# Altium PCB DC_Motor.PcbDoc (part 1 of 2) (continued)
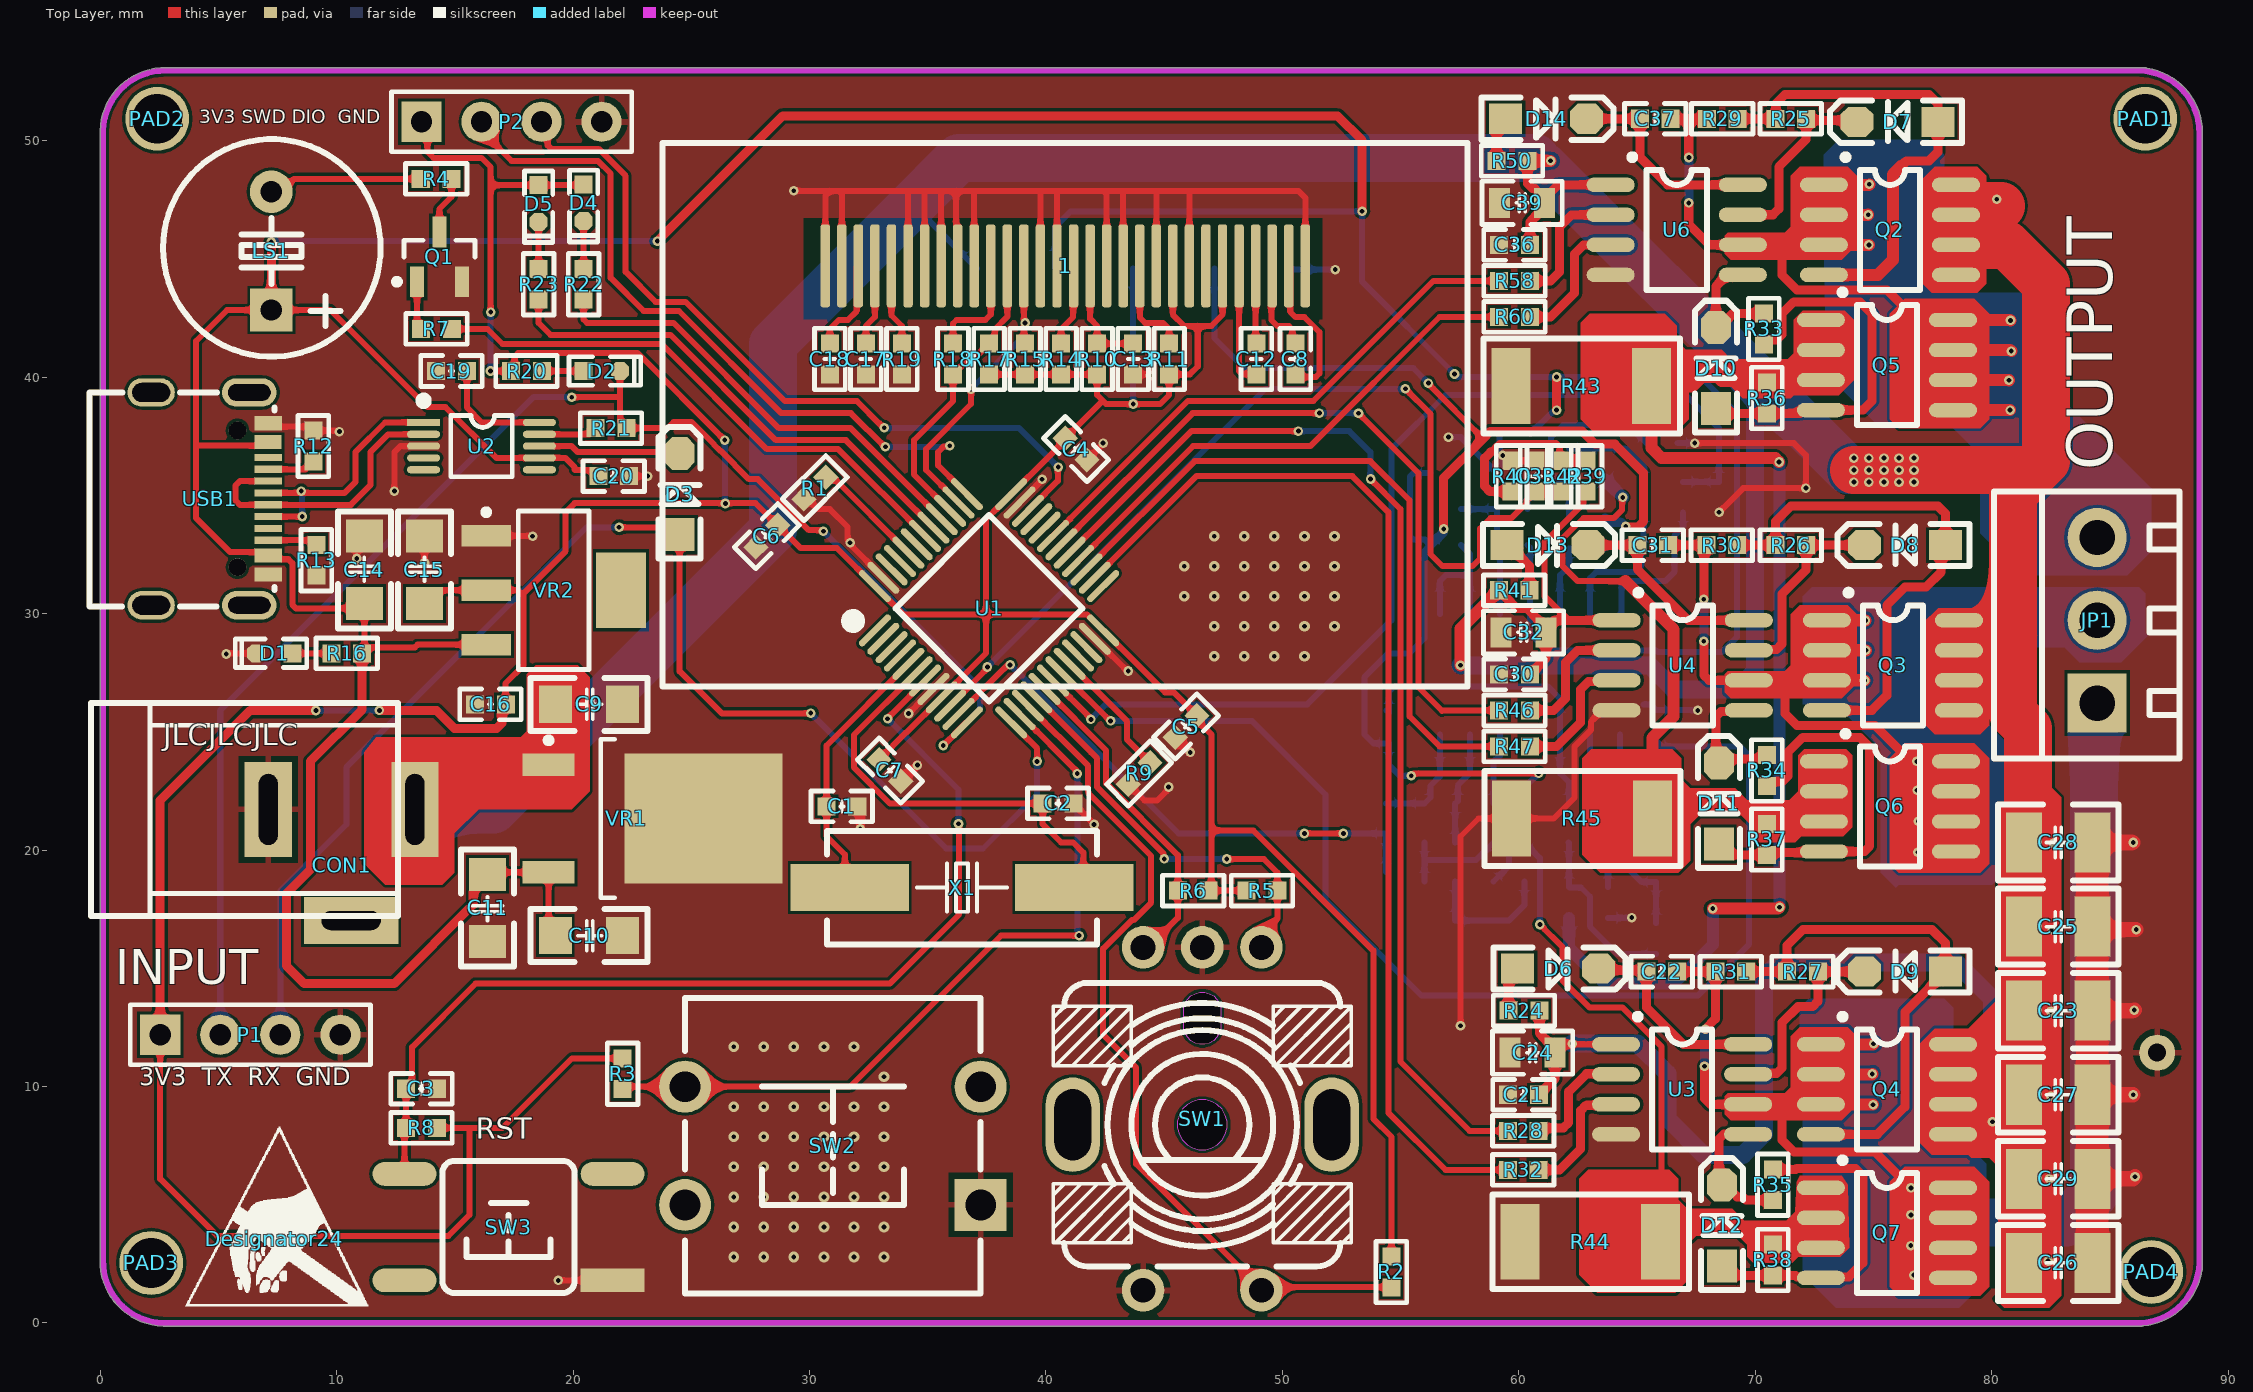
[diagram p0: Top Layer view]
## Footprints (in the part's own frame and the unit in brackets; to place one, negate y for a bottom-side part, rotate by r counter-clockwise, add the part's x,y. Pads: shape width x height; smd on the part's side, far side on the other; paste and mask are expansions set on the pad)
"BEEP 5x9x5.5" [mm] "5*9*5.5mm(脚距,直径,高度)        淘宝ID:黄晶宝石"
  rect 1.8x1.8 hole 0.9: 1(0,-2.5)
  round 1.8 hole 0.9: 2(0,2.5)
  silkscreen extent -4.58,-4.47 4.62,4.72, body extent -4.5,-4.5 4.5,4.5, height 5.45
C0603_L [mil] "无极性贴片电容"
  rect 30x30 smd: 1(-25.59,0) 2(25.59,0)
  silkscreen extent -51,-26 51,26, body extent -31,-16 32,16, height 33
C0805_L [mil] "无极性贴片电容"
  rect 35x50 smd: 1(-37.4,0) 2(37.4,0)
  silkscreen extent -67,-36 67,36, body extent -39,-24 39,24, height 22
C1206_L [mil] "无极性贴片电容"
  rect 55x62 smd: 1(-55.12,0) 2(57.09,0)
  silkscreen extent -96,-44 98,44, body extent -63,-32 63,32, height 50
C1210_L [mm] "无极性贴片电容"
  rect 1.524x2.54 smd: 1(-1.45,0) 2(1.45,0)
  silkscreen extent -2.55,-1.6 2.55,1.6, body extent -1.6,-1.28 1.6,1.29, height 1.56
Check [mm]
  silkscreen extent 0,-6.1 11.18,0
DC-005 [mm] "5.5*2.1mm，DC30V,2.5A                       淘宝ID:黄晶宝石"
  rect 2x4 hole 0.8 slot 3 at 90 deg: 1(-6.2,0) 2(0,0)
  rect 4x2 hole 0.8 slot 2.5 at 0 deg: 3(-3.5,4.7)
  silkscreen extent -5.48,-4.5 7.5,4.5, body extent -6.55,-4.5 7.5,4.8, height 11
HDR2.54-LI-4P [mm] "排针，4脚"
  rect 1.7x1.7 hole 0.9: 1(-3.81,0)
  round 1.7 hole 0.9: 2(-1.27,0) 3(1.27,0) 4(3.81,0)
  silkscreen extent -5.08,-1.27 5.08,1.27, body extent -5.08,-1.27 5.08,1.27, height 2.54
ICO1 [mm]
  silkscreen extent -3.76,-2.82 3.96,4.75
ICO3 [mm]
  silkscreen extent -3.58,-3.86 3.48,3.86
INO5 [mm]
  silkscreen extent -2.97,-5.16 3.04,0.05
KF350-3P [mm] "可拼接端子/10A"
  rect 2.5x2.5 hole 1.5: 1(-3.5,0)
  round 2.5 hole 1.5: 2(0,0) 3(3.5,0)
  silkscreen extent -5.84,-3.48 5.44,4.37, body extent -5.65,-3.3 5.25,4.2, height 10.1
LED0603_B [mil] "蓝色0603LED"
  rect 30x30 smd: 1(-30.59,0)
  oct 30x30 smd: 2(30.59,0)
  silkscreen extent -54,-24 65,24, body extent -32,-16 31,16, height 24
LED0603_G [mil] "绿色0603LED"
  rect 30x30 smd: 1(-30.59,0)
  oct 30x30 smd: 2(30.59,0)
  silkscreen extent -54,-24 65,24, body extent -32,-16 31,16, height 24
LED0603_R [mil] "红色0603LED"
  rect 30x30 smd: 1(-30.59,0)
  oct 30x30 smd: 2(30.59,0)
  silkscreen extent -54,-24 65,24, body extent -32,-16 31,16, height 24
LQFP48-7*7 [mm] "7x7mm，0.5mm"
  oval 0.279x1.8 smd: 1(-2.75,-4.075) 2(-2.25,-4.075) 3(-1.75,-4.075) 4(-1.25,-4.075) 5(-0.75,-4.075) 6(-0.25,-4.075) 7(0.25,-4.075) 8(0.75,-4.075) 9(1.25,-4.075) 10(1.75,-4.075) 11(2.25,-4.075) 12(2.75,-4.075) 25(2.75,4.075) 26(2.25,4.075) 27(1.75,4.075) 28(1.25,4.075) 29(0.75,4.075) 30(0.25,4.075) 31(-0.25,4.075) 32(-0.75,4.075) 33(-1.25,4.075) 34(-1.75,4.075) 35(-2.25,4.075) 36(-2.75,4.075)
  oval 1.8x0.279 smd: 13(4.075,-2.75) 14(4.075,-2.25) 15(4.075,-1.75) 16(4.075,-1.25) 17(4.075,-0.75) 18(4.075,-0.25) 19(4.075,0.25) 20(4.075,0.75) 21(4.075,1.25) 22(4.075,1.75) 23(4.075,2.25) 24(4.075,2.75) 37(-4.075,2.75) 38(-4.075,2.25) 39(-4.075,1.75) 40(-4.075,1.25) 41(-4.075,0.75) 42(-4.075,0.25) 43(-4.075,-0.25) 44(-4.075,-0.75) 45(-4.075,-1.25) 46(-4.075,-1.75) 47(-4.075,-2.25) 48(-4.075,-2.75)
  silkscreen extent -3.93,-4.69 2.79,2.79, body extent -4.5,-4.5 4.5,4.5, height 1.45
M2 [mm]
  round 2.7 hole 2.1: 1(0.127,0.762)
MSOP10_M [mm] "塑封体长3mm，宽3mm，脚距0.5mm      淘宝ID:黄晶宝石"
  rect 0.305x1.4 smd: 1(-1,-2.45)
  oval 0.305x1.4 smd: 2(-0.5,-2.45) 3(0,-2.45) 4(0.5,-2.45) 5(1,-2.45) 6(1,2.45) 7(0.5,2.45) 8(0,2.45) 9(-0.5,2.45) 10(-1,2.45)
  silkscreen extent -2.07,-2.6 1.3,1.3, body extent -1.5,-2.45 1.5,2.45, height 0.95
OLED-12864-1.3-TOP [mm]
  rrect50% 0.4x3.5 smd: 1(-10.16,-6.858) 2(-9.46,-6.858) 3(-8.76,-6.858) 4(-8.06,-6.858) 5(-7.36,-6.858) 6(-6.66,-6.858) 7(-5.96,-6.858) 8(-5.26,-6.858) 9(-4.56,-6.858) 10(-3.86,-6.858) 11(-3.16,-6.858) 12(-2.46,-6.858) 13(-1.76,-6.858) 14(-1.06,-6.858) 15(-0.36,-6.858) 16(0.34,-6.858) 17(1.04,-6.858) 18(1.74,-6.858) 19(2.44,-6.858) 20(3.14,-6.858) 21(3.84,-6.858) 22(4.54,-6.858) 23(5.24,-6.858) 24(5.94,-6.858) 25(6.64,-6.858) 26(7.34,-6.858) 27(8.04,-6.858) 28(8.74,-6.858) 29(9.44,-6.858) 30(10.14,-6.858)
  silkscreen extent -17.02,-12.07 17.02,10.92, body extent -17,-14.29 17,11.07, height 4.6
"OSC HC-49SMD" [mm] "封装库来自淘宝卖家 ID：黄晶宝石"
  rect 5x2 smd: 1(-4.75,0) 2(4.75,0)
  silkscreen extent -5.7,-2.4 5.7,2.4, body extent -6.5,-2.33 6.5,2.33
R0603_L [mil] "1/10W贴片电阻"
  rect 30x30 smd: 1(-25.59,0) 2(25.59,0)
  silkscreen extent -51,-26 51,26, body extent -31,-16 32,16, height 16
R2512_L [mm] "1W贴片电阻                淘宝ID:黄晶宝石"
  rect 1.65x3.2 smd: 1(-2.95,0) 2(3,0)
  silkscreen extent -4.1,-2 4.2,2, body extent -3.2,-1.6 3.2,1.6, height 0.55
SOD-123 [mil] "2.7x1.6X1.1mm（长宽高，不包括引脚） 淘宝ID:黄晶宝石"
  rect 55x50 smd: 1(-67.5,0)
  oct 55x50 smd: 2(67.5,0)
  silkscreen extent -108,-35 112,35, body extent -73,-32 73,31, height 50
SOIC-14 [mm]
  oval 2.2x0.6 smd: 1(-2.552,3.81) 2(-2.552,2.54) 3(-2.552,1.27) 4(-2.552,0) 5(-2.552,-1.27) 6(-2.552,-2.54) 7(-2.552,-3.81) 8(2.552,-3.81) 9(2.552,-2.54) 10(2.552,-1.27) 11(2.552,0) 12(2.552,1.27) 13(2.552,2.54) 14(2.552,3.81)
  silkscreen extent -2.55,-4.3 0.93,4.78, body extent -3,-4.35 3,4.35, height 1.9
SOP8 [mil]
  oval 80x24 smd: 1(-1,-1) 2(-1,-51) 3(-1,-101) 4(-1,-151) 5(219,-151) 6(219,-101) 7(219,-51) 8(219,-1)
  silkscreen extent 30,-176 159,50, body extent -12,-173 225,24, height 75
SOT23-3N [mm] "SOT23, 3-Leads, Body 2.9x1.3mm, Pitch 0.95mm, Lead Span 2.4mm, IPC Medium Density"
  rect 1.3x0.6 smd: 1(-1.05,0.95) 2(-1.05,-0.95) 3(1.05,0)
  silkscreen extent -1.17,-1.5 0.7,1.92, body extent -1.2,-1.5 1.2,1.5, height 1.05
SOT223_L [mm] "SOT223, 4-Leads, Body 6.5x3.5mm, Pitch 2.3mm, Lead Span 7mm, IPC High Density"
  rect 2.1x0.9 smd: 1(-2.85,2.3) 2(-2.85,0) 3(-2.85,-2.3)
  rect 2.1x3.2 smd: 4(2.85,0)
  silkscreen extent -2.97,-3.35 1.5,3.42, body extent -3.51,-3.25 3.51,3.25, height 1.65
"SW DIP-12*12*4.3" [mm] "12*12*4.3mm                                 淘宝ID:黄晶宝石"
  rect 2.2x2.2 hole 1.3: 1(-6.25,2.5)
  round 2.2 hole 1.3: 2(-6.25,-2.5) 3(6.25,-2.5) 4(6.25,2.5)
  silkscreen extent -6.25,-6.25 6.25,6.25, body extent -6.9,-6 6.9,6, height 4.45
"SW SMD-6*6*5" [mm] "6*6*5mm                                 淘宝ID:黄晶宝石"
  rect 2.7x1 smd: 1(-4.4,2.261)
  oval 2.7x1 smd: 2(-4.4,-2.239) 3(4.4,-2.239) 4(4.4,2.261)
  silkscreen extent -2.79,-2.79 2.79,2.79, body extent -4.5,-3 4.5,3, height 5.03
SW-TH_EC11K1524406 [mm]
  round 1.8 hole 1.05 mask+0.051: A(-2.5,-7.25) B(2.5,-7.25) C(0,-7.25) D(-2.5,7.25) E(2.5,7.25)
  oval 2.3x4 hole 1.55 slot 3 at 90 deg copper offset 0,0 mask+0.051: MH1(-5.475,0.25)
  oval 2.3x4 hole 1.55 slot 3 at 90 deg mask+0.051: MH2(5.475,0.25)
  Keep-Out Layer board cut-out: 0.775,-4.575 0.775,-4.677 0.722,-4.874 0.62,-5.051 0.476,-5.195 0.299,-5.297 0.102,-5.35 -0.102,-5.35 -0.299,-5.297 -0.476,-5.195 -0.62,-5.051 -0.722,-4.874 -0.775,-4.677 -0.775,-4.575 -0.775,-4.575 -0.775,-3.925 -0.775,-3.823 -0.722,-3.626 -0.62,-3.449 -0.476,-3.305 -0.299,-3.203 -0.102,-3.15 0.102,-3.15 0.299,-3.203 0.476,-3.305 0.62,-3.449 0.722,-3.626 0.775,-3.823 0.775,-3.925 0.775,-3.925 0.775,-4.575
  Keep-Out Layer board cut-out: 1.05,0.25 1.05,0.388 0.978,0.655 0.84,0.895 0.645,1.09 0.405,1.228 0.138,1.3 -0.138,1.3 -0.405,1.228 -0.645,1.09 -0.84,0.895 -0.978,0.655 -1.05,0.388 -1.05,0.25 -1.05,0.112 -0.978,-0.155 -0.84,-0.395 -0.645,-0.59 -0.405,-0.729 -0.138,-0.8 0.138,-0.8 0.405,-0.729 0.645,-0.59 0.84,-0.395 0.978,-0.155 1.05,0.112 1.05,0.25 1.05,0.25
  silkscreen extent -6.3,-5.75 6.3,6.25
"TEST 1.6" [mm] "测试点1.6mm"
  round 1.6 smd paste-1.6: 1(0,0)
  silkscreen extent -1.02,-1.01 1.02,1.02
TO-252 [mm]
  rect 2.2x0.95 smd: 1(-4.4,2.28) 3(-4.4,-2.28)
  rect 6.7x5.5 smd: 2(2.15,0)
  silkscreen extent -4.52,-3.35 -1.6,3.43, body extent -5.08,-3.37 5.02,3.37, height 2.5
USB-C-SMD_16P [mm] "封装库来自淘宝ID:黄晶宝石"
  oval 1.2x2.3 hole 0.7 slot 1.8 at 90 deg: 0(-4.5,-1.675) 0(4.5,-1.675)
  oval 1.2x2 hole 0.8 slot 1.6 at 90 deg: 0(-4.5,2.475) 0(4.5,2.475)
  rect 0.3x1.15 smd: A1(3.35,-2.473) A4(2.55,-2.471) A5(1.25,-2.475) A6(0.25,-2.475) A7(-0.25,-2.473) A9(-2.55,-2.475) A12(-3.35,-2.475) B1(-3.05,-2.475) B4(-2.25,-2.475) B5(-1.75,-2.475) B6(-0.75,-2.475) B7(0.75,-2.473) B9(2.25,-2.471) B12(3.05,-2.473)
  rect 0.3x1.148 smd: A8(1.75,-2.475) B8(-1.25,-2.475)
  round 0.75 hole 0.75 unplated: ""(-2.89,-1.175) ""(2.89,-1.175)
  silkscreen extent -4.56,-2.75 4.5,5.08, body extent -4.44,-2.87 4.5,5.03, height 3.25

## Part data
1: "显示屏"
C1 C2 C3 C4 C5 C6 C7: library part C, "贴片电容", BOM名称=无极性贴片电容, 联系卖家，免费查找封装=唯一出售店铺网址https://shop463601444.taobao.com
C8 C12 C13 C17 C18: library part 电容-0402, "Capacitor"
C9 C10 C16 C22 C31 C37: library part Cap, "C89632", LC=C1591, parm=100V
C11 C14 C15 C21 C23 C24 C25 C26 C27 C28 C29 C30 C32 C33 C34 C35 C36 C38 C39 C40 C41 C42 C43 C44 C45: library part Cap
  C14 C15 C23 C25 C26 C27 C28 C29: LC=C1591
  C21 C24 C30 C32 C33 C34 C35 C36 C38 C39 C40 C41 C42 C43 C44 C45: LC=C1591, parm=50V
C19 C20: library part C, "无极性贴片电容", BOM名称=无极性贴片电容, 学习资源=www.ooocke.com, 版权归属=源创客
CON1: library part P-DC, "低压电源接口", BOM名称=DC电源接口, 联系卖家，免费技术支持=唯一出售店铺网址https://shop463601444.taobao.com
D1 D2 D4 D5: "发光二极管"
  D1 D2: LatestRevisionDate=08-Jul-2005, LatestRevisionNote="Mech Layer 1 removed.", PackageReference=LED-0, Published=8-Jun-2000, Publisher="Altium Limited"
  D4 D5: 封装库来自淘宝卖家 ID：黄晶宝石=其他店铺购入均为假冒，请立即申请退款，本店奖励现金5~20元
D3: library part M7, "整流二极管", BOM名称=整流二极管, 学习资源=www.ooocke.com, 版权归属=源创客
D6 D7 D8 D9 D10 D11 D12 D13 D14: library part "SOD-323 1N4148WS T4", "二极管", Package=SOD-323, SuppliersPartNumber=C2128, ComponentLink1Description=供应商链接, ComponentLink1URL=http://www.szlcsc.com/product/details_2485.html, Supplier=LC
JP1: library part "Header 3", "3P接插件", BOM名称=3P接插件, 学习资源=www.ooocke.com, 版权归属=源创客
LS1: "Electrical Bell", LatestRevisionDate=17-Jul-2002, LatestRevisionNote="Re-released for DXP Platform.", PackageReference=PIN2, Published=24-Mar-1999, Publisher="Altium Limited"
P1 P2: library part "Header 4", "Header, 4-Pin", LatestRevisionDate=17-Jul-2002, LatestRevisionNote="Re-released for DXP Platform.", Publisher="Altium Limited"
PAD1 PAD2 PAD3 PAD4: library part M3, "铜柱孔", BOM名称=铜柱孔, 联系卖家，免费查找封装=唯一出售店铺网址https://shop463601444.taobao.com
Q1: library part 8050-SMD, "高频放大-NPN型", BOM名称=高频放大-NPN型, 参数="40V 1.5A 1W 100MHZ", 封装库来自淘宝卖家 ID：黄晶宝石=其他店铺购入均为盗版，不享受售后技术支持服务，请立即申请退款, 联系卖家，免费查找封装=唯一出售店铺网址https://shop463601444.taobao.com
Q2 Q3 Q4 Q5 Q6 Q7: library part NMOS-2, "C190848", Code_JEDEC=TO-220-AB, ComponentLink1Description="Manufacturer Link", ComponentLink1URL=http://www.irf.com/, DatasheetDocument=PD-9.814, LatestRevisionDate=17-Jul-2002, LatestRevisionNote="Re-released for DXP Platform.", Note="Pin 2 is electrically connected to pin 4.", PackageReference=TO-220AB, Published=8-Jun-2000, Publisher=60V
R1 R2 R3 R5 R6 R8 R9 R22 R23: library part R, "贴片电阻", BOM名称=贴片电阻, 封装库来自淘宝卖家ID：黄晶宝石=其他店铺购入均为盗版假冒封装库，请立即申请退款, 联系卖家，免费查找封装=唯一出售店铺网址https://shop463601444.taobao.com
R4 R7 R10 R11 R12 R13 R14 R15 R16 R17 R18 R19 R20 R21: library part 电阻-0402, "Resistor"
R24 R25 R26 R27 R28 R29 R30 R31 R32 R33 R34 R35 R36 R37 R38 R39 R40 R41 R42 R46 R47 R48 R49 R50 R51 R52 R53 R54 R55 R56 R57 R58 R59 R60 R61 R62 R63 R64 R65 R66 R67 R68 R69 R70 R71 R72 R73 R74 R75: library part Res1, "Resistor"
R43 R44 R45: library part R-I, "电流检测电阻", BOM名称=电流检测电阻, 学习资源=www.ooocke.com, 版权归属=源创客
SW1: JLCPCB Part Class="Extended Part", LCSC Part Name=编码器, Manufacturer=ALPSALPINE(阿尔卑斯阿尔派), Add into BOM=yes, Convert to PCB=yes, Datasheet=https://atta.szlcsc.com/upload/public/pdf/source/20190620/C398934_DDD5BF6D843226194F24C74B1929B82F.pdf, Device=EC11K1524406, Manufacturer Part=EC11K1524406, Name=EC11K1524406, Supplier=LCSC, Supplier Footprint=插件, Supplier Part=C398934, Symbol=EC11K1524406
SW2: library part "TSW DIP-12x12", "直插12x12轻触开关", BOM名称=直插12x12轻触开关, 联系卖家，免费查找封装=唯一出售店铺网址https://shop463601444.taobao.com
SW3: library part "TSW SMD-6x6", "贴片6x6轻触开关", BOM名称=贴片6x6轻触开关, 学习资源=www.ooocke.com, 版权归属=源创客
TP1 TP2 TP3 TP4 TP5: "测试点", BOM名称=测试点, 联系卖家，免费查找封装=唯一出售店铺网址https://shop463601444.taobao.com
U2: BOM_JLCPCB Part Class="Extended Part", BOM_Manufacturer=WCH, BOM_Manufacturer Part=CH340E, BOM_Supplier=LCSC, BOM_Supplier Part=C99652, spicePre=U, spiceSymbolName=CH340E, subpart_no=1
U3 U4 U6: library part NCP5106BDR2G, "C193777", 编号=C193777
U5: library part LM324DT_[C71035], "运放", Package=SOIC-14_150mil, SuppliersPartNumber=C71035, ComponentLink1Description=供应商链接, ComponentLink1URL=http://www.szlcsc.com/product/details_72134.html, Supplier=LC
USB1: library part USB-Type-C-TOP
VR1: library part "TO-252-2 L78M05ABDT-TR", "低压差线性稳压(LDO)", Package=TO-252-2, SuppliersPartNumber=C58069, ComponentLink1Description=供应商链接, ComponentLink1URL=http://www.szlcsc.com/product/details_59107.html, Supplier=LC
VR2: library part "SOT-223 AMS1117-3.3", "低压差线性稳压(LDO)", Package=SOT-223, SuppliersPartNumber=C6186, ComponentLink1Description=供应商链接, ComponentLink1URL=http://www.szlcsc.com/product/details_6652.html, Supplier=LC
X1: library part XTAL-2P, "2脚无源脚晶振", BOM名称=2脚无源脚晶振, 联系卖家，免费查找封装=唯一出售店铺网址https://shop463601444.taobao.com

## Free pads (board coordinates)
  round 1.524 hole 0.762: 2(86.995,11.43)

## Via types
v1: diameter 0.406, hole 0.203, Top Layer to Bottom Layer, 141 vias
v2: diameter 0.457, hole 0.203, Top Layer to Bottom Layer, 68 vias

## Nets (pads, with @x,y where several pads share a name; then routed paths per layer and width w, separated by ;. In a path a pad name is that pad's centre, name@x,y a point inside that pad or via, vN(x,y) a via of type N, cw(c..) or ccw(c..) an arc to the next point about the centre after c; other vN are vias at no path point)
+1.65V: C35.2 R48.1 R61.1 R74.1 R75.1 TP5.1 | length 57.5
  Top Layer w0.254: v1(55.448,23.141) 55.549,23.241 v1(60.833,23.241) ; v1(56.171,39.75) 56.171,39.714 58.483,37.401
  Top Layer w0.381: v1(56.819,33.578) 56.819,35.737 58.483,37.401 58.788,37.706 60.618,37.706 60.63,37.719 62.67,37.719 63.227,37.162 64.057,37.162 65.278,35.941 65.278,33.909 65.024,33.655 64.55,33.655 v1(64.515,33.69)
  Bottom Layer w0.254: TP5.1@47.117,44.59 47.117,41.656 48.387,40.386 55.535,40.386 v1(56.171,39.75) ; v1(55.448,23.141) 54.964,23.141 54.498,23.607 R61.1@54.498,24.511 53.848,24.511 53.467,24.892 53.467,27.305 54.483,28.321 55.372,28.321 56.007,28.956 56.007,32.639 R48.1@56.261,32.893 56.029,33.125 55.536,33.125 55.387,33.274 55.387,35.792 55.536,35.941 C35.2@56.261,35.941 ; R74.1@60.228,21.971 60.228,22.636 v1(60.833,23.241)
  Bottom Layer w0.381: R48.1@56.261,32.893 56.819,33.451 v1(56.819,33.578) ; R75.1@63.642,34.051 63.833,33.861 64.337,33.861 64.508,33.69 v1(64.515,33.69)
+3.3V: 1.6 1.9 C4.1 C5.1 C6.1 C7.1 C15.2 C16.2 D4.1 D5.1 P1.1 P2.1 R2.2 R3.2 R5.2 R6.2 R8.2 R10.2 R11.1 R14.2 R15.1 R17.1 R20.1 TP3.1 U1.9 U1.24 U1.36 U1.48 VR2.2 | length 212.2
  Top Layer w0.254: P1.1@2.54,12.192 2.54,6.096 4.953,3.683 14.732,3.683 15.621,4.572 15.621,8.247 15.628,8.255 ; P2.1@13.589,50.8 13.843,50.546 13.843,49.53 14.097,49.276 16.129,49.276 16.51,48.895 16.51,48.118 ; C15.2@13.716,30.427 14.277,30.988 VR2.2@16.327,30.988 17.653,30.988 17.78,30.861 ; R8.2@14.239,8.255 15.628,8.255 ; v1(16.51,40.259) R20.1@17.384,40.259 17.526,40.401 17.526,40.872 17.675,41.021 22.733,41.021 v1(26.416,37.338) ; v1(16.517,42.752) 16.51,42.759 16.51,48.118 ; C16.2@17.16,26.162 17.145,26.177 17.145,27.051 17.907,27.813 17.907,30.734 17.78,30.861 ; D4.1@20.447,48.148 20.417,48.118 D5.1@18.542,48.118 16.51,48.118 ; R3.2@22.098,11.191 19.954,11.191 17.018,8.255 15.628,8.255 ; v1@26.416,34.671 20.066,34.671 19.685,34.29 19.685,32.639 17.907,30.861 17.78,30.861 ; v1@26.443,34.671 27.716,34.671 C6.1@28.654,33.734 29.621,32.766 31.163,32.766 U1.48@32.766,31.163 33.957,29.972 37.465,29.972 ; C7.1@32.941,23.828 34.076,24.963 34.096,24.963 U1.9@35.594,26.46 37.465,28.331 37.465,29.972 ; R17.1@37.592,40.117 R15.1@39.116,40.117 R14.2@40.64,40.117 R10.2@42.164,40.117 42.164,39.243 42.354,39.053 ; C4.1@40.815,37.417 42.354,38.956 42.354,39.053 ; C4.1@40.942,37.29 40.767,37.29 U1.36@38.529,35.052 37.465,33.988 37.465,29.972 ; 1.9@45.366,44.704 45.366,42.645 45.847,42.164 46.419,42.164 ; 1.6@47.466,44.704 47.466,42.64 46.99,42.164 46.419,42.164 ; R5.2@48.484,18.288 R6.2@46.878,18.288 46.99,18.4 46.99,20.828 ; R2.2@54.61,2.809 54.61,7.874 53.848,8.636 53.848,15.748 48.768,20.828 46.99,20.828 ; 37.465,29.972 41.728,29.972 42.411,29.289 U1.24@42.418,29.289 45.037,26.67 45.399,26.67 C5.1@46.385,25.684 46.385,25.497 46.99,24.892 46.99,20.828 ; 42.354,39.053 42.545,38.862 v1(43.688,38.862) 44.831,38.862 45.212,39.243 R11.1@45.212,40.117 46.086,40.117 46.419,40.45 46.419,42.164
  Top Layer w0.381: P1.1@2.54,12.192 2.54,22.098 6.35,25.908 9.119,25.908 v1(9.127,25.9) ; v1(11.811,25.908) 14.224,25.908 14.986,25.146 16.764,25.146 16.987,25.369 16.987,25.989 C16.2@17.16,26.162
  Bottom Layer w0.254: v1(9.127,25.9) 11.803,25.9 v1(11.811,25.908) ; v1(16.51,40.259) 16.51,42.745 v1(16.517,42.752) ; v1(26.416,37.338) 26.416,34.681 v1(26.443,34.655) ; v1(43.688,38.862) TP3.1@43.688,44.59
+5V: C10.2 C11.2 C14.2 C20.1 C34.2 LS1.1 R16.1 R49.1 TP2.1 U2.7 U5.4 USB1.A4 USB1.A9 USB1.B4 USB1.B9 VR1.3 VR2.3 | length 196.2
  Top Layer w0.254: USB1.A4@7.105,37.403 USB1.B9@7.105,37.103 4.083,37.103 4.064,37.084 ; R16.1@11.079,28.321 R16.1@11.176,28.418 ; VR2.3@16.327,28.688 13.425,28.688 13.312,28.575 11.333,28.575 R16.1@11.176,28.418 ; C11.2@16.383,18.976 16.463,19.056 VR1.3@18.968,19.056 18.968,16.666 C10.2@19.251,16.383 ; C20.1@21.067,35.814 20.813,36.068 20.088,36.068 20.066,36.09 20.066,36.195 19.677,36.584 U2.7@18.579,36.584 16.756,36.584 14.605,38.735 13.843,38.735 9.739,42.839 LS1.1@7.239,42.839 5.374,42.839 4.064,41.529 4.064,37.084 ; 4.064,37.084 4.064,34.036 5.497,32.603 USB1.B4@7.109,32.603 USB1.A9@7.109,32.303 7.956,32.303 8.128,32.131 8.128,30.375 8.277,30.226 10.975,30.226 C14.2@11.176,30.427 R16.1@11.176,28.418
  Top Layer w0.381: LS1.1@7.239,42.839 v1(7.239,45.72) ; R16.1@11.079,28.321 11.079,25.938 8.89,23.749 8.89,19.177 7.874,18.161 7.874,15.113 8.636,14.351 12.431,14.351 15.786,17.706 15.786,18.468 16.294,18.976 C11.2@16.383,18.976 ; v1(23.569,45.754) 28.87,51.054 52.324,51.054 53.369,50.009 v1(53.369,47.013) ; v1(61.595,38.608) v1(61.595,40.005)
  Bottom Layer w0.254: v1(7.239,45.72) 7.273,45.754 v1(23.569,45.754) ; TP2.1@40.386,44.59 40.386,46.355 41.044,47.013 v1(53.369,47.013) 53.369,44.04 v1(57.277,40.132) 57.404,40.005 v1(61.595,40.005) 67.691,40.005 69.215,38.481 69.215,29.007 68.58,28.372 65.871,28.372 65.795,28.448 61.203,28.448 60.467,29.184 U5.4@60.467,29.984 60.467,32.796 R49.1@60.37,32.893 ; C34.2@60.482,37.592 61.498,38.608 v1(61.595,38.608)
+12V: C9.2 C21.1 C23.1 C24.1 C25.1 C26.1 C27.1 C28.1 C29.1 C30.1 C32.1 C36.1 C39.1 CON1.1 Q2.5 Q2.6 Q2.7 Q2.8 Q3.5 Q3.6 Q3.7 Q3.8 Q4.5 Q4.6 Q4.7 Q4.8 R24.1 R39.2 R41.1 R50.1 TP1.1 U3.1 U4.1 U6.1 VR1.1 | length 234.2
  Top Layer w0.254: 62.103,29.718 61.087,30.734 61.087,33.02 62.738,34.671 62.738,35.037 R39.2@62.865,35.164 ; v1(62.262,11.815) 62.291,11.786 U3.1@64.11,11.786
  Top Layer w0.381: R41.1@59.152,30.988 59.914,30.226 60.323,30.226 C32.1@61.148,29.401 ; R50.1@60.355,49.149 60.355,48.197 60.578,47.973 60.675,47.973 C39.1@61.087,47.561 ; C30.1@60.467,27.432 61.148,28.113 C32.1@61.148,29.21 C32.1@61.148,29.401 ; C36.1@60.49,45.57 C36.1@60.467,45.593 60.467,46.561 61.087,47.18 C39.1@61.087,47.371 C39.1@61.087,47.561 ; C21.1@60.848,9.652 61.529,10.333 C24.1@61.529,11.43 C24.1@61.529,11.532 ; R24.1@60.863,13.208 60.863,12.255 61.244,11.875 61.275,11.875 61.529,11.621 C24.1@61.529,11.532 ; v1@62.291,11.786 61.783,11.786 C24.1@61.529,11.532 ; U6.1@63.881,48.133 61.658,48.133 C39.1@61.087,47.561 ; U4.1@64.135,29.718 62.103,29.718 61.466,29.718 C32.1@61.148,29.401 ; 78.994,9.779 80.034,9.779 80.038,9.775 ; 79.248,8.509 v1(80.027,8.508) ; v1@80.182,47.498 v1(80.208,47.524) ; C26.1@81.354,2.54 81.434,2.62 v1(82.381,2.62) ; C29.1@81.354,6.096 v1(82.423,6.096) ; C27.1@81.354,9.652 82.427,9.652 v1(82.49,9.589) ; C23.1@81.354,13.208 82.457,13.208 v1(82.49,13.175) ; C25.1@81.354,16.764 82.423,16.764 v1(82.55,16.637) ; C28.1@81.354,20.32 82.564,20.32 v1(82.599,20.284)
  Top Layer w0.508: v1(57.531,27.813) 57.531,29.367 R41.1@59.152,30.988 ; R50.1@60.355,49.149 v1(61.341,49.149)
  Top Layer w2.032: v1(74.168,36.068) 81.915,36.068 ; 78.105,26.543 80.9,26.543 ; Q2.6@78.486,45.593 80.645,45.593 82.296,43.942 82.296,36.449 81.915,36.068 ; Q2.7@78.486,46.863 78.867,47.244 80.391,47.244 ; 78.613,29.083 80.9,29.083 ; C28.1@81.354,20.32 81.534,20.5 81.534,25.147 80.9,25.78 80.9,26.543 ; 80.9,26.543 80.9,29.083 ; 80.9,29.083 80.9,35.053 81.915,36.068
  Bottom Layer w0.254: 34.036,46.99 34.684,46.99 TP1.1@37.084,44.59
  Bottom Layer w0.762: v1(57.531,27.813) 65.532,27.813 66.548,26.797 69.215,26.797 69.977,27.559 69.977,38.227 70.866,39.116 ; v1(62.262,11.815) 65.02,11.815 66.294,10.541 66.294,8.636 67.818,7.112 69.469,7.112 70.358,8.001 70.358,14.605 70.993,15.24 78.486,15.24 78.74,14.986 80.01,13.716 80.01,8.763 80.027,8.746 v1(80.027,8.508)
  Bottom Layer w2.032: CON1.1@13.312,21.717 16.637,21.717 28.448,33.528 28.448,41.402 34.036,46.99 36.322,49.276 60.706,49.276 ; 61.087,48.895 70.866,39.116 73.914,36.068 77.216,36.068
  other v1: 74.168,35.56 74.803,35.56 75.438,35.56 76.073,35.56 76.708,35.56 74.803,36.068 75.438,36.068 76.073,36.068 76.708,36.068 74.168,36.576 74.803,36.576 75.438,36.576 76.073,36.576 76.708,36.576
BEP1: R7.1 U1.42 | length 23.6
  Top Layer w0.254: R7.1@14.874,42.037 16.383,42.037 17.018,41.402 23.749,41.402 28.194,36.957 31.215,36.957 U1.42@34.887,33.285
BS1: 1.11 R11.2 | length 4.2
  Top Layer w0.254: 1.11@43.966,44.704 43.966,42.521 44.196,42.291 44.958,42.291 45.212,42.037 R11.2@45.212,41.417
D+: U2.1 USB1.A6 USB1.B6 | length 11.1
  Top Layer w0.254: USB1.B6@7.109,34.103 8.542,34.103 v1(8.545,34.107) ; USB1.A6@7.109,35.103 10.338,35.103 10.795,35.56 10.795,36.83 12.049,38.084 U2.1@13.679,38.084
  Bottom Layer w0.254: v1(8.509,35.179) 8.545,35.143 v1(8.545,34.107)
D-: U2.2 USB1.A7 USB1.B7 | length 12.2
  Top Layer w0.254: USB1.A7@7.107,34.603 5.91,34.603 5.715,34.798 5.715,35.411 5.907,35.603 USB1.B7@7.107,35.603 ; USB1.A7@7.107,34.603 10.6,34.603 11.43,35.433 11.43,36.83 12.184,37.584 U2.2@13.679,37.584
DEBUG_RX: D3.1 P1.3 U1.13 | length 59.3
  Top Layer w0.254: v1(21.949,33.65) 24.199,33.65 D3.1@24.511,33.337 24.511,27.559 26.289,25.781 30.038,25.781 v1(30.049,25.792) ; U1.13@38.529,25.4 39.624,24.305 v1(39.624,23.749)
  Bottom Layer w0.254: P1.3@7.62,12.192 7.62,18.288 10.414,21.082 10.414,23.495 20.569,33.65 v1(21.949,33.65) ; v1(30.049,25.792) 35.775,20.066 37.338,20.066 39.624,22.352 v1(39.624,23.749)
DEBUG_TX: D2.2 P1.2 R21.1 U1.12 | length 62.9
  Top Layer w0.254: v1(19.941,39.151) 21.95,39.151 21.986,39.187 ; D2.2@21.986,40.259 21.986,39.187 ; v1(30.588,33.482) 30.542,33.528 29.972,33.528 27.813,35.687 27.432,35.687 26.238,36.881 26.227,36.881 25.959,37.149 25.959,37.16 25.019,38.1 24.257,38.1 24.003,37.846 R21.1@22.255,37.846 21.986,38.115 21.986,39.187 ; v1(35.656,24.423) 36.633,25.4 U1.12@36.655,25.4
  Bottom Layer w0.254: P1.2@5.08,12.192 5.08,25.908 18.323,39.151 v1(19.941,39.151) ; v1(30.588,33.482) 37.211,26.859 37.211,25.978 v1(35.656,24.423)
Encode1: R5.1 SW1.A U1.16 | length 17.4
  Top Layer w0.254: U1.16@39.59,26.46 41.91,24.14 41.91,24.13 42.164,23.876 42.164,22.663 44.975,19.852 44.975,19.656 v1(45.004,19.627) ; v1(47.644,19.62) 49.214,19.62 49.784,19.05 R5.1@49.784,18.288 49.784,17.106 49.109,16.431 SW1.A@49.109,16.013
  Bottom Layer w0.254: v1(45.004,19.627) 47.637,19.627 v1(47.644,19.62)
Encode2: R6.1 SW1.B U1.17 | length 13.9
  Top Layer w0.254: U1.17@39.943,26.814 42.545,24.212 42.545,22.821 45.578,19.788 R6.1@45.578,18.288 45.578,17.13 44.461,16.013 SW1.B@44.109,16.013
GND: 1.1 1.8 1.10 1.12 1.13 1.16 1.17 1.21 1.22 1.23 1.24 1.25 1.29 1.30 C1.1 C2.1 C3.1 C4.2 C5.2 C6.2 C7.2 C9.1 C10.1 C11.1 C13.1 C14.1 C15.1 C16.1 C17.2 C18.2 C19.1 C20.2 C21.2 C23.2 C24.2 C25.2 C26.2 C27.2 C28.2 C29.2 C30.2 C32.2 C33.1 C34.1 C35.1 C36.2 C38.1 C39.2 C41.1 C44.1 C45.1 CON1.2 D1.2 P1.4 P2.4 pad.2 Q1.2 R1.2 R9.1 R12.1 R13.1 R19.1 R40.2 R43.1 R44.1 R45.1 R56.1 R59.1 R72.1 R73.1 SW1.C SW1.E SW2.1 SW3.1 TP4.1 U1.8 U1.23 U1.35 U1.47 U2.3 U3.4 U4.4 U5.11 U6.4 USB1.A1 USB1.A12 USB1.B1 USB1.B12 VR1.2 VR2.1 | length 166.7
  Top Layer w0.254: v1(5.334,28.293) 5.362,28.321 D1.2@6.589,28.321 ; USB1.B12@7.107,37.903 USB1.A1@7.107,38.203 ; USB1.B12@7.107,37.903 8.848,37.903 R12.1@9.017,37.734 10.082,37.734 v1(10.119,37.697) ; v1(10.856,32.331) 10.856,32.957 C14.1@11.176,33.277 ; v1(12.446,35.179) 12.446,36.83 12.7,37.084 U2.3@13.679,37.084 ; C15.1@13.716,33.277 13.716,32.159 v1(13.719,32.156) ; VR2.1@16.327,33.288 18.274,33.288 v1(18.288,33.274) ; v1(19.374,1.8) 19.377,1.803 SW3.1@21.672,1.803 ; C20.2@22.367,35.814 v1(23.156,35.814) v1@23.168,35.826 ; v1(29.337,47.879) 30.861,47.879 ; R1.2@29.766,34.846 29.924,34.846 30.353,34.417 30.861,34.417 31.616,33.662 31.616,33.141 31.716,33.042 v1(31.716,33.001) 31.716,32.92 U1.47@33.119,31.517 ; 1.30@30.666,44.704 30.666,47.684 30.861,47.879 ; 1.29@31.366,44.704 31.366,47.755 31.242,47.879 ; 1.25@34.166,44.704 34.166,47.876 34.163,47.879 ; v1(34.192,25.774) 35.232,26.814 U1.8@35.241,26.814 ; 1.24@34.866,44.704 34.866,47.82 34.925,47.879 ; 1.23@35.566,44.704 35.566,47.758 35.687,47.879 ; 1.22@36.266,44.704 36.195,44.775 36.195,47.879 ; 1.21@36.966,44.704 36.966,47.87 36.957,47.879 ; U1.35@38.883,34.699 39.835,35.651 v1(39.835,35.686) ; 1.17@39.766,44.704 39.766,47.864 39.751,47.879 ; 1.16@40.466,44.704 40.466,47.832 40.513,47.879 ; C2.1@41.163,21.971 42.037,21.097 v1(42.037,21.082) ; C4.2@41.735,36.497 42.418,37.181 v1(42.418,37.211) ; U1.23@42.065,28.935 43.429,27.571 v1(43.477,27.571) ; 1.13@42.566,44.704 42.566,47.731 42.418,47.879 ; 1.12@43.266,44.704 43.266,47.838 43.307,47.879 ; R9.1@43.482,22.781 44.166,22.098 44.704,22.098 45.188,22.582 v1(45.188,22.665) ; C13.1@43.688,40.117 44.354,40.117 v1(44.404,40.067) ; 1.10@44.666,44.704 44.666,47.841 44.704,47.879 ; 1.8@46.066,44.704 46.066,47.787 45.974,47.879 ; 1.1@50.966,44.704 50.966,47.586 50.673,47.879 45.974,47.879 ; v1(57.531,12.573) 57.531,20.574 58.293,21.336 R45.1@59.69,21.336 61.468,21.336 62.357,22.225 62.357,24.384 63.055,25.082 63.055,25.443 63.52,25.908 U4.4@64.135,25.908 ; v1(59.321,36.692) 59.362,36.692 59.59,36.464 R40.2@59.69,36.464 C33.1@60.706,36.464 ; v1(67.437,37.211) 71.628,37.211 72.136,36.703 72.136,35.31 v1(72.138,35.309) 69.487,35.309 v1(68.468,34.29) ; 30.861,47.879 31.242,47.879 ; 31.242,47.879 34.163,47.879 ; 34.163,47.879 34.925,47.879 ; 34.925,47.879 35.687,47.879 ; 35.687,47.879 36.195,47.879 ; 36.195,47.879 36.957,47.879 ; 36.957,47.879 39.751,47.879 ; 39.751,47.879 40.513,47.879 ; 40.513,47.879 42.418,47.879 ; 42.418,47.879 43.307,47.879 ; 43.307,47.879 44.704,47.879 ; 44.704,47.879 45.974,47.879
  Top Layer w0.381: C1.1@32.019,21.844 32.147,21.716 v1(32.147,20.894) ; C7.2@33.861,22.908 34.547,23.595 v1(34.563,23.595) ; C5.2@45.466,24.765 v1(46.101,24.13)
  Top Layer w0.635: C29.2@84.254,6.096 85.962,6.096 v1(86.053,6.187) ; C27.2@84.254,9.652 v1(85.979,9.652) ; C23.2@84.254,13.208 86.003,13.208 v1(86.026,13.232) ; C25.2@84.254,16.764 84.381,16.637 v1(86.106,16.637) ; C28.2@84.254,20.32 v1(85.979,20.32)
  Top Layer w1.27: C26.2@84.254,2.54 C29.2@84.254,6.096 C27.2@84.254,9.652 C23.2@84.254,13.208 C25.2@84.254,16.764 C28.2@84.254,20.32
  Bottom Layer w0.254: TP4.1@50.419,44.59 50.459,44.549 v1(52.237,44.549) ; v1(57.023,37.465) 57.546,37.465 R56.1@59.07,35.941 59.321,36.192 v1(59.321,36.692) 59.321,36.733 59.182,36.872 C34.1@59.182,37.592 ; R59.1@63.769,17.13 64.755,17.13 v1(64.77,17.145) ; 65.278,26.162 65.562,26.162 C41.1@65.801,25.923 67.549,25.923 v1(67.564,25.908) ; R73.1@66.705,37.211 v1(67.437,37.211)
  other v2: 26.797,2.794 28.067,2.794 29.337,2.794 30.607,2.794 31.877,2.794 33.147,2.794 26.797,4.064 28.067,4.064 29.337,4.064 30.607,4.064 31.877,4.064 33.147,4.064 26.797,5.334 28.067,5.334 29.337,5.334 30.607,5.334 31.877,5.334 33.147,5.334 26.797,6.604 28.067,6.604 29.337,6.604 30.607,6.604 31.877,6.604 33.147,6.604 26.797,7.874 28.067,7.874 29.337,7.874 30.607,7.874 31.877,7.874 33.147,7.874 26.797,9.144 28.067,9.144 29.337,9.144 30.607,9.144 31.877,9.144 33.147,9.144 33.147,10.414 26.797,11.684 28.067,11.684 29.337,11.684 30.607,11.684 31.877,11.684 47.117,28.194 48.387,28.194 49.657,28.194 50.927,28.194 47.117,29.464 48.387,29.464 49.657,29.464 50.927,29.464 52.197,29.464 45.847,30.734 47.117,30.734 48.387,30.734 49.657,30.734 50.927,30.734 52.197,30.734 45.847,32.004 47.117,32.004 48.387,32.004 49.657,32.004 50.927,32.004 52.197,32.004 47.117,33.274 48.387,33.274 49.657,33.274 50.927,33.274 52.197,33.274
KEY1: R3.1 SW2.3 U1.14 | length 32.5
  Top Layer w0.254: R3.1@22.098,9.891 22.2,9.993 SW2.3@24.738,9.993 31.71,9.993 38.1,16.383 v1(41.402,16.383) ; U1.14@38.883,25.753 41.402,23.234 v1(41.326,23.234)
  Bottom Layer w0.254: v1(41.326,23.234) 41.326,16.5 41.402,16.424 v1(41.402,16.383)
KEY2: R2.1 SW1.D U1.15 | length 36
  Top Layer w0.254: U1.15@39.236,26.107 41.783,23.56 41.783,22.472 41.798,22.457 41.798,22.402 44.45,19.75 44.45,17.78 43.71,17.04 43.631,17.04 42.418,15.827 42.418,12.192 43.815,10.795 43.815,6.731 49.109,1.437 SW1.D@49.109,1.386 ; SW1.D@49.109,1.513 54.606,1.513 R2.1@54.61,1.509
LED0: R22.2 U1.40 | length 19.5
  Top Layer w0.254: R22.2@20.447,43.277 20.447,42.44 20.596,42.291 24.257,42.291 28.702,37.846 31.74,37.846 U1.40@35.594,33.992
LED1: R23.2 U1.41 | length 21.3
  Top Layer w0.254: R23.2@18.542,43.277 18.542,42.291 19.05,41.783 24.13,41.783 28.575,37.338 31.541,37.338 U1.41@35.241,33.638
Net1_2: 1.2 C8.1 | length 6.4
  Top Layer w0.254: 1.2@50.266,44.704 50.339,44.631 50.339,42.752 50.546,42.545 50.927,42.545 51.562,41.91 51.562,40.154 51.413,40.005 50.658,40.005 C8.1@50.546,40.117
Net1_3: 1.3 C8.2 | length 4
  Top Layer w0.254: 1.3@49.566,44.704 49.53,44.668 49.53,42.418 49.784,42.164 50.27,42.164 50.419,42.015 50.419,41.544 C8.2@50.546,41.417
Net1_4: 1.4 C12.1 | length 3.3
  Top Layer w0.254: 1.4@48.866,44.704 48.866,41.446 C12.1@48.895,41.417
Net1_5: 1.5 C12.2 | length 5.2
  Top Layer w0.254: 1.5@48.166,44.704 48.166,40.253 48.282,40.137 48.875,40.137 C12.2@48.895,40.117